# KiCad board raw.kicad_pcb

Outline 58.42 x 63.5 mm; copper layers: Top, In1.Cu (plane), In2.Cu (plane), Bottom. Coordinates in mm from the lower left corner of the outline.
Outline path: 0,63.5 58.42,63.5 58.42,0 0,0 0,63.5

## Placement (name value [footprint] x y rotation side)
C1  0.1uF  [C_0402]  15.36 24.77 90 bottom
C2  0.1uF  [C_0402]  10.36 10 270 bottom
C3  0.1uF  [C_0402]  10.36 24.77 90 bottom
C4  0.1uF  [C_0402]  11.87 10 270 bottom
C5  0.1uF  [C_0402]  15.28 15.58 180 bottom
C6  0.1uF  [C_0402]  13.36 10 270 bottom
C7  10nF  [C_0402]  15.36 20.57 270 bottom
C8  10nF  [C_0402]  10.36 13.97 90 bottom
C9  10nF  [C_0402]  10.36 20.57 270 bottom
C10  10nF  [C_0402]  11.87 13.97 90 bottom
C11  10nF  [C_0402]  20.14 15.48 0 bottom
C12  10nF  [C_0402]  13.36 13.97 90 bottom
C13  18pF  [C_0603]  1.12 20.09 90 top
C14  18pF  [C_0603]  2.24 11.63 180 top
C15  0.1uF  [C_0402]  8.86 10 270 bottom
C16  0.1uF  [C_0402]  3.75 15.53 180 bottom
C17  0.1uF  [C_0402]  3.75 17.03 180 bottom
C18  0.1uF  [C_0402]  14.86 10 270 bottom
C19  0.1uF  [C_0402]  3.75 19.53 180 bottom
C20  10nF  [C_0402]  8.02 17.03 0 bottom
C21  10nF  [C_0402]  8.86 13.97 90 bottom
C22  0.1uF  [C_0402]  12.36 24.77 90 bottom
C23  10nF  [C_0402]  14.86 13.97 90 bottom
C24  0.1uF  [C_0402]  20.14 16.78 0 bottom
C25  10nF  [C_0402]  8.02 15.53 0 bottom
C26  10nF  [C_0402]  8.02 19.53 0 bottom
C27  10nF  [C_0402]  12.37 20.57 270 bottom
C28  10nF  [C_0402]  15.28 16.78 180 bottom
C29  0.1uF  [C_0402]  33.53 39.5 0 top
C30  0.1uF  [C_0402]  23.11 37.97 180 top
C31  0.1uF  [C_0402]  23.11 39.12 180 top
C32  0.1uF  [C_0402]  44.25 46.18 90 top
C33  0.1uF  [C_0402]  52.83 4.57 180 top
C34  0.1uF  [C_0402]  52.83 9.65 180 top
C35  0.1uF  [C_0402]  52.97 14.73 180 top
C36  10uF  [C_0805]  43.65 53.56 180 top
C37  10uF  [C_0805]  43.58 56.14 180 top
C38  4.7uF  [C_0805]  28.91 59.95 90 top
C39  4.7uF  [C_0805]  39.07 59.95 90 top
C40  10uF  [C_0805]  26.37 56.65 0 top
C41  10uF  [C_0805]  36.53 56.65 0 top
chicken_logo_flip  -  [chicken_logo_flip]  26.21 24.25 0 top
D1  LED  [C_0603]  55.88 4.57 270 top
D2  LED  [C_0603]  55.88 9.65 270 top
D3  LED  [C_0603]  55.88 14.73 270 top
D4  LED  [C_0603]  47 61.3 90 top
D5  LED  [C_0603]  55.88 19.81 270 top
D6  LED  [C_0603]  55.88 24.89 270 top
FB1  FILTER  [C_0603]  21.89 24.12 180 bottom
FB2  FILTER  [C_0603]  12.63 3.66 90 bottom
FB3  FILTER  [C_0603]  10.43 3.61 90 bottom
FB4  FILTER  [C_0603]  4.5 23.8 270 bottom
FB5  FILTER  [C_0603]  1.98 23.8 270 bottom
H1  HOLE1  [MountingHole_4.3mm_M4_Pad]  8.08 59.99 0 top
H2  HOLE1  [MountingHole_4.3mm_M4_Pad]  24.08 3.5 0 top
H3  HOLE1  [MountingHole_4.3mm_M4_Pad]  55.07 59.99 0 top
J1  HDMI_A  [FCI_10029449-11[13]RLF]  9.87 6.26 0 top
J2  QTH-030-02-L-DA  [QTH-030-02-L-D-A]  44.08 17.5 90 top
J3  RAPC712x  [RAPC712]  62.56 48.86 90 top
L1  2.2uH  [C_1206]  23.07 59.43 270 top
L2  2.2uH  [C_1206]  33.23 59.43 270 top
P1  CONN_02X07  [IDC_Header_Straight_14pins]  6.39 34.71 90 top
P2  CONN_01X06  [Pin_Header_Straight_1x06]  32.46 1.74 90 top
P3  CONN_01X06  [Pin_Header_Straight_1x06]  32.16 49.94 270 top
R1  0.0  [R_0402]  24.89 24.13 0 bottom
R2  0.0  [R_0402]  6.06 9.37 270 top
R3  4.7k  [R_0402]  7.46 3.69 90 bottom
R4  4.7k  [R_0402]  6.25 3.7 90 bottom
R5  4.7k  [R_0402]  4.86 3.69 90 bottom
R6  0.0  [R_0402]  23.35 54.99 0 top
R7  4.7k  [R_0402]  26.54 34.75 90 top
R8  33  [R_0402]  5.84 9.56 270 bottom
R9  33  [R_0402]  7.35 9.55 270 bottom
R10  33  [C_0402]  5.2 7.07 90 bottom
R11  0.0  [R_0402]  35.56 43.13 0 top
R12  4.7k  [R_0402]  42.73 46.09 270 top
R13  4.7k  [R_0402]  45.87 46.13 90 top
R14  4.7k  [R_0402]  24.43 34.7 90 top
R15  0.0  [R_0402]  20.12 36.22 180 top
R16  0.0  [R_0402]  20.12 34.8 180 top
R17  4.7k  [R_0402]  32.61 47.75 180 top
R18  4.7k  [R_0402]  32.13 34.75 90 top
R19  4.7k  [R_0402]  32.16 46.33 180 top
R20  4.7k  [R_0402]  30.63 34.75 90 top
R21  4.7k  [R_0402]  27.49 47.14 0 top
R22  4.7k  [R_0402]  27.53 45.72 0 top
R23  4.7k  [R_0402]  25 47.09 0 top
R24  270  [R_0402]  55.88 1.88 180 top
R25  270  [R_0402]  55.88 6.96 180 top
R26  270  [R_0402]  55.88 12.04 180 top
R27  200  [R_0805]  43.55 58.5 0 top
R28  270  [R_0603]  47.03 58.43 270 top
R29  150k  [R_0603]  29.42 55.89 90 top
R30  150k  [R_0603]  39.58 55.89 90 top
R31  270  [R_0402]  55.88 17.12 180 top
R32  300k  [R_0603]  26.37 54.87 0 top
R33  680k  [R_0603]  36.53 54.87 0 top
R34  270  [R_0402]  55.88 22.2 180 top
RP1  R_PACK8  [RPACK-8_0616]  11.12 25.59 90 top
RP2  R_PACK8  [RPACK-8_0616]  20.28 21.79 0 top
RP3  R_PACK8  [RPACK-8_0616]  20.28 16.31 0 top
SW1  -  [2M1-SP1-T2-B4-M6RE]  56.81 36.81 180 top
U1  TPD4S010DQAR  [10-USON]  13.36 10.17 270 top
U2  TPD4S010DQAR  [10-USON]  10.36 10.15 270 top
U3  ABM3B-24.000MHZ-B2-T  [XTAL_ABRACON]  2.28 15.65 270 top
U4  TPS2061  [SOT-23-5]  19.81 54.1 0 top
U5  ADV7611  [LQFP-64_TH_10x10mm_Pitch0.5mm]  12.11 17.28 90 top
U6  MSP430F2274TRHAR  [QFN-40-1EP_6x6mm_Pitch0.5mm]  28.32 40.24 90 top
U7  SN74AUP1G06DCKR  [SC-70-5]  52.83 2.54 270 top
U8  SN74AUP1G07DCKR  [SC-70-5]  52.83 7.62 270 top
U9  SN74AUP1G06DCKR  [SC-70-5]  52.83 12.7 270 top
U10  TPS62260  [WSON-6]  26.12 59.95 270 top
U11  TPS62260  [WSON-6]  36.28 59.95 270 top
U12  SN74AUP1G06DCKR  [SC-70-5]  52.83 17.78 270 top
U13  SN74AUP1G06DCKR  [SC-70-5]  52.83 22.86 270 top

## Footprints (pads in the part's own frame, mm; a bottom-side part is the same pattern mirrored in y, then rotated)
2M1-SP1-T2-B4-M6RE
  round 2 hole 1.85: 1(12.7,4.7) 2(12.7,0) 3(12.7,-4.7) 4(0,-2.504) 5(0,2.504)
10-USON
  rect 0.55x0.3 smd: 1(-0.385,1) 2(-0.385,0.5) 4(-0.385,-0.5) 5(-0.385,-1) 6(0.385,-1) 9(0.385,0.5) 10(0.385,1)
  rect 0.55x0.39 smd: 3(-0.385,0)
  rect 0.55x0.25 smd: 7(0.385,-0.5)
  rect 0.5x0.39 smd: 8(0.385,0)
C_0402
  rect 0.6x0.5 smd: 1(-0.55,0) 2(0.55,0)
C_0603
  rect 0.8x0.75 smd: 1(-0.75,0) 2(0.75,0)
C_0805
  rect 1x1.25 smd: 1(-1,0) 2(1,0)
C_1206
  rect 1x1.6 smd: 1(-1.5,0) 2(1.5,0)
FCI_10029449-11[13]RLF
  rect 0.3x1.9 smd: 1(4.75,0.9) 2(4.25,0.9) 3(3.75,0.9) 4(3.25,0.9) 5(2.75,0.9) 6(2.25,0.9) 7(1.75,0.9) 8(1.25,0.9) 9(0.75,0.9) 10(0.25,0.9) 11(-0.25,0.9) 12(-0.75,0.9) 13(-1.25,0.9) 14(-1.75,0.9) 15(-2.25,0.9) 16(-2.75,0.9) 17(-3.25,0.9) 18(-3.75,0.9) 19(-4.25,0.9)
  round 2 hole 1.3: SHLD(-7.85,-4.95) SHLD(-7.25,0) SHLD(7.25,0) SHLD(7.85,-4.95)
IDC_Header_Straight_14pins
  rect 1.727x1.727 hole 1.016: 1(0,0)
  oval 1.727x1.727 hole 1.016: 2(0,2.54) 3(2.54,0) 4(2.54,2.54) 5(5.08,0) 6(5.08,2.54) 7(7.62,0) 8(7.62,2.54) 9(10.16,0) 10(10.16,2.54) 11(12.7,0) 12(12.7,2.54) 13(15.24,0) 14(15.24,2.54)
LQFP-64_TH_10x10mm_Pitch0.5mm
  rect 1x0.25 smd: 1(-5.7,3.75) 2(-5.7,3.25) 3(-5.7,2.75) 4(-5.7,2.25) 5(-5.7,1.75) 6(-5.7,1.25) 7(-5.7,0.75) 8(-5.7,0.25) 9(-5.7,-0.25) 10(-5.7,-0.75) 11(-5.7,-1.25) 12(-5.7,-1.75) 13(-5.7,-2.25) 14(-5.7,-2.75) 15(-5.7,-3.25) 16(-5.7,-3.75) 33(5.7,-3.75) 34(5.7,-3.25) 35(5.7,-2.75) 36(5.7,-2.25) 37(5.7,-1.75) 38(5.7,-1.25) 39(5.7,-0.75) 40(5.7,-0.25) 41(5.7,0.25) 42(5.7,0.75) 43(5.7,1.25) 44(5.7,1.75) 45(5.7,2.25) 46(5.7,2.75) 47(5.7,3.25) 48(5.7,3.75)
  rect 0.25x1 smd: 17(-3.75,-5.7) 18(-3.25,-5.7) 19(-2.75,-5.7) 20(-2.25,-5.7) 21(-1.75,-5.7) 22(-1.25,-5.7) 23(-0.75,-5.7) 24(-0.25,-5.7) 25(0.25,-5.7) 26(0.75,-5.7) 27(1.25,-5.7) 28(1.75,-5.7) 29(2.25,-5.7) 30(2.75,-5.7) 31(3.25,-5.7) 32(3.75,-5.7) 49(3.75,5.7) 50(3.25,5.7) 51(2.75,5.7) 52(2.25,5.7) 53(1.75,5.7) 54(1.25,5.7) 55(0.75,5.7) 56(0.25,5.7) 57(-0.25,5.7) 58(-0.75,5.7) 59(-1.25,5.7) 60(-1.75,5.7) 61(-2.25,5.7) 62(-2.75,5.7) 63(-3.25,5.7) 64(-3.75,5.7)
  rect 1.66x1.66 hole 0.381: 65(-1.66,1.66) 65(-1.66,0) 65(-1.66,-1.66) 65(0,1.66) 65(0,0) 65(0,-1.66) 65(1.66,1.66) 65(1.66,0) 65(1.66,-1.66)
  rect 5x5 smd: 65(0,0)
MountingHole_4.3mm_M4_Pad
  round 5 hole 4.3: 1(0,0)
Pin_Header_Straight_1x06
  rect 2.032x1.727 hole 1.016: 1(0,0)
  oval 2.032x1.727 hole 1.016: 2(0,-2.54) 3(0,-5.08) 4(0,-7.62) 5(0,-10.16) 6(0,-12.7)
QFN-40-1EP_6x6mm_Pitch0.5mm
  rect 0.5x0.3 smd: 1(-3,2.25) 2(-3,1.75) 3(-3,1.25) 4(-3,0.75) 5(-3,0.25) 6(-3,-0.25) 7(-3,-0.75) 8(-3,-1.25) 9(-3,-1.75) 10(-3,-2.25) 21(3,-2.25) 22(3,-1.75) 23(3,-1.25) 24(3,-0.75) 25(3,-0.25) 26(3,0.25) 27(3,0.75) 28(3,1.25) 29(3,1.75) 30(3,2.25)
  rect 0.3x0.5 smd: 11(-2.25,-3) 12(-1.75,-3) 13(-1.25,-3) 14(-0.75,-3) 15(-0.25,-3) 16(0.25,-3) 17(0.75,-3) 18(1.25,-3) 19(1.75,-3) 20(2.25,-3) 31(2.25,3) 32(1.75,3) 33(1.25,3) 34(0.75,3) 35(0.25,3) 36(-0.25,3) 37(-0.75,3) 38(-1.25,3) 39(-1.75,3) 40(-2.25,3)
  rect 1.15x1.15 hole 0.381: 41(-1.725,1.725) 41(-1.725,-1.725) 41(1.725,1.725) 41(1.725,-1.725)
  rect 1.15x1.15 smd: 41(-1.725,0.575) 41(-1.725,-0.575) 41(-0.575,1.725) 41(-0.575,0.575) 41(-0.575,-0.575) 41(-0.575,-1.725) 41(0.575,1.725) 41(0.575,0.575) 41(0.575,-0.575) 41(0.575,-1.725) 41(1.725,0.575) 41(1.725,-0.575)
QTH-030-02-L-D-A
  round 0.9 hole 0.9 unplated: (-10.845,0.508)
  round 0.9 hole 0.9: (10.845,0.508)
  rect 0.305x1.448 smd: 1(-7.25,3.086) 2(-7.25,-3.086) 3(-6.75,3.086) 4(-6.75,-3.086) 5(-6.25,3.086) 6(-6.25,-3.086) 7(-5.75,3.086) 8(-5.75,-3.086) 9(-5.25,3.086) 10(-5.25,-3.086) 11(-4.75,3.086) 12(-4.75,-3.086) 13(-4.25,3.086) 14(-4.25,-3.086) 15(-3.75,3.086) 16(-3.75,-3.086) 17(-3.25,3.086) 18(-3.25,-3.086) 19(-2.75,3.086) 20(-2.75,-3.086) 21(-2.25,3.086) 22(-2.25,-3.086) 23(-1.75,3.086) 24(-1.75,-3.086) 25(-1.25,3.086) 26(-1.25,-3.086) 27(-0.75,3.086) 28(-0.75,-3.086) 29(-0.25,3.086) 30(-0.25,-3.086) 31(0.25,3.086) 32(0.25,-3.086) 33(0.75,3.086) 34(0.75,-3.086) 35(1.25,3.086) 36(1.25,-3.086) 37(1.75,3.086) 38(1.75,-3.086) 39(2.25,3.086) 40(2.25,-3.086) 41(2.75,3.086) 42(2.75,-3.086) 43(3.25,3.086) 44(3.25,-3.086) 45(3.75,3.086) 46(3.75,-3.086) 47(4.25,3.086) 48(4.25,-3.086) 49(4.75,3.086) 50(4.75,-3.086) 51(5.25,3.086) 52(5.25,-3.086) 53(5.75,3.086) 54(5.75,-3.086) 55(6.25,3.086) 56(6.25,-3.086) 57(6.75,3.086) 58(6.75,-3.086) 59(7.25,3.086) 60(7.25,-3.086)
  rect 2.54x0.64 smd: 61(8.445,0) 64(-8.445,0)
  rect 4.7x0.64 smd: 62(3.175,0) 63(-3.175,0)
R_0402
  rect 0.4x0.6 smd: 1(-0.45,0) 2(0.45,0)
R_0603
  rect 0.5x0.9 smd: 1(-0.75,0) 2(0.75,0)
R_0805
  rect 0.7x1.3 smd: 1(-0.95,0) 2(0.95,0)
RAPC712
  round 3.8 hole 3.56: 1(0,13.74)
  round 3.3 hole 3.05: 2(0,7.49) 3(4.8,10.74)
RPACK-8_0616
  rect 0.5x0.3 smd: 1(-0.75,-0.25) 2(-0.75,-0.75) 3(-0.75,-1.25) 4(-0.75,-1.75) 5(-0.75,-2.25) 6(-0.75,-2.75) 7(-0.75,-3.25) 8(-0.75,-3.75) 9(0.55,-3.75) 10(0.55,-3.25) 11(0.55,-2.75) 12(0.55,-2.25) 13(0.55,-1.75) 14(0.55,-1.25) 15(0.55,-0.75) 16(0.55,-0.25)
SC-70-5
  rect 0.406x0.66 smd: 1(-0.66,-1.016) 2(0,-1.016) 3(0.66,-1.016) 4(0.66,1.016) 5(-0.66,1.016)
SOT-23-5
  rect 1.06x0.65 smd: 1(-1.1,0.95) 2(-1.1,0) 3(-1.1,-0.95) 4(1.1,-0.95) 5(1.1,0.95)
WSON-6
  rect 0.3x0.7 smd: 1(-0.65,-1.05) 2(0,-1.05) 3(0.65,-1.05) 4(0.65,1.05) 5(0,1.05) 6(-0.65,1.05)
  rect 1.6x1 smd: 7(0,0)
XTAL_ABRACON
  rect 1.803x1.194 smd: 1(-2.032,-1.194) 2(2.032,-1.194) 3(2.032,1.194) 4(-2.032,1.194)

## Nets
+1V8: C40.1 J2.48 J2.52 L1.2 R6.2 R32.1
+3V3: C33.1 C34.1 C35.1 C41.1 D1.1 D2.1 D3.1 D5.1 D6.1 J2.50 L2.2 P2.5 R1.2 R3.1 R4.1 R5.1 R7.1 R11.2 R14.1 R33.1 U7.5 U8.5 U9.5 U12.5 U13.5
/MSP430/VCC_TARGET: P1.4 R16.2
/MSP430/VCC_TOOL: P1.2 R15.2
GND: C1.2 C2.2 C3.2 C4.2 C5.2 C6.2 C7.2 C8.2 C9.2 C10.2 C11.2 C12.2 C13.2 C14.2 C15.2 C16.2 C17.2 C18.2 C19.2 C20.2 C21.2 C22.2 C23.2 C24.2 C25.2 C26.2 C27.2 C28.2 C29.2 C30.2 C31.2 C32.2 C33.2 C34.2 C35.2 C36.2 C37.2 C38.2 C39.2 C40.2 C41.2 D4.2 H1.1 H2.1 H3.1 J1.2 J1.5 J1.8 J1.11 J1.17 J1.SHLD J2.61 J2.62 J2.63 J2.64 J3.3 P1.9 P2.6 P3.6 R13.2 R29.2 R30.2 SW1.4 SW1.5 U1.3 U1.8 U2.3 U2.8 U3.2 U3.4 U4.2 U5.65 U6.1 U6.4 U6.13 U6.41 U7.3 U8.3 U9.3 U10.6 U10.7 U11.6 U11.7 U12.3 U13.3
3DR: J2.31
/CONNECTOR/HOST_IRQ_DRIVE: R24.2 U7.4
/CONNECTOR/HOST_IRQ_LED: D1.2 R24.1
/CONNECTOR/PDATA0: J2.9 RP1.16
/CONNECTOR/PDATA1: J2.1 RP1.15
/CONNECTOR/PDATA2: J2.11 RP1.14
/CONNECTOR/PDATA3: J2.3 RP1.13
/CONNECTOR/PDATA4: J2.13 RP1.12
/CONNECTOR/PDATA5: J2.5 RP1.11
/CONNECTOR/PDATA6: J2.15 RP1.10
/CONNECTOR/PDATA7: J2.7 RP1.9
/CONNECTOR/PDATA8: J2.4 RP2.16
/CONNECTOR/PDATA9: J2.6 RP2.15
/CONNECTOR/PDATA10: J2.8 RP2.14
/CONNECTOR/PDATA11: J2.21 RP2.13
/CONNECTOR/PDATA12: J2.10 RP2.12
/CONNECTOR/PDATA13: J2.25 RP2.11
/CONNECTOR/PDATA14: J2.12 RP2.10
/CONNECTOR/PDATA15: J2.29 RP2.9
/CONNECTOR/PDATA16: J2.14 RP3.16
/CONNECTOR/PDATA17: J2.33 RP3.15
/CONNECTOR/PDATA18: J2.16 RP3.14
/CONNECTOR/PDATA19: J2.37 RP3.13
/CONNECTOR/PDATA20: J2.18 RP3.12
/CONNECTOR/PDATA21: J2.41 RP3.11
/CONNECTOR/PDATA22: J2.20 RP3.10
/CONNECTOR/PDATA23: J2.45 RP3.9
/CONNECTOR/PROJ_ON_DRIVE: R26.2 U9.4
/CONNECTOR/PROJ_ON_LED: D3.2 R26.1
/CONNECTOR/RESETZ: J2.53 U8.2
/CONNECTOR/RESETZ_DRIVE: R25.2 U8.4
/CONNECTOR/RESETZ_LED: D2.2 R25.1
/HDMI_INPUT/ADV_CVDD: C15.1 C18.1 C21.1 C23.1 FB3.2 U5.2 U5.14
/HDMI_INPUT/ADV_DVDD: C16.1 C19.1 C22.1 C24.1 C25.1 C26.1 C27.1 C28.1 FB4.2 U5.24 U5.40 U5.52 U5.60
/HDMI_INPUT/ADV_DVDDIO: C1.1 C3.1 C5.1 C7.1 C9.1 C11.1 FB1.2 U5.23 U5.34 U5.44
/HDMI_INPUT/ADV_PVDD: C17.1 C20.1 FB5.2 U5.57
/HDMI_INPUT/ADV_TVDD: C2.1 C4.1 C6.1 C8.1 C10.1 C12.1 FB2.2 U5.5 U5.8 U5.11
/HDMI_INPUT/ADV_VDD1V8: FB3.1 FB4.1 FB5.1 U4.1
/HDMI_INPUT/ADV_VDD3V3: FB1.1 FB2.1 R1.1
/HDMI_INPUT/B0: RP1.1 U5.43
/HDMI_INPUT/B1: RP1.2 U5.42
/HDMI_INPUT/B2: RP1.3 U5.41
/HDMI_INPUT/B3: RP1.4 U5.39
/HDMI_INPUT/B4: RP1.5 U5.38
/HDMI_INPUT/B5: RP1.6 U5.37
/HDMI_INPUT/B6: RP1.7 U5.36
/HDMI_INPUT/B7: RP1.8 U5.35
/HDMI_INPUT/G0: RP2.1 U5.33
/HDMI_INPUT/G1: RP2.2 U5.32
/HDMI_INPUT/G2: RP2.3 U5.31
/HDMI_INPUT/G3: RP2.4 U5.30
/HDMI_INPUT/G4: RP2.5 U5.29
/HDMI_INPUT/G5: RP2.6 U5.28
/HDMI_INPUT/G6: RP2.7 U5.27
/HDMI_INPUT/G7: RP2.8 U5.26
/HDMI_INPUT/HDMI_CEC: J1.13 U5.61
/HDMI_INPUT/HDMI_CLK_N: J1.12 U2.5 U2.6 U5.3
/HDMI_INPUT/HDMI_CLK_P: J1.10 U2.4 U2.7 U5.4
/HDMI_INPUT/HDMI_HPA: J1.19 R5.2 R10.1
/HDMI_INPUT/HDMI_PWR: R2.1 U5.64
/HDMI_INPUT/HDMI_PWR_5V: J1.18 R2.2
/HDMI_INPUT/HDMI_RX0_N: J1.9 U2.2 U2.9 U5.6
/HDMI_INPUT/HDMI_RX0_P: J1.7 U2.1 U2.10 U5.7
/HDMI_INPUT/HDMI_RX1_N: J1.6 U1.5 U1.6 U5.9
/HDMI_INPUT/HDMI_RX1_P: J1.4 U1.4 U1.7 U5.10
/HDMI_INPUT/HDMI_RX2_N: J1.3 U1.2 U1.9 U5.12
/HDMI_INPUT/HDMI_RX2_P: J1.1 U1.1 U1.10 U5.13
/HDMI_INPUT/HDMI_SCL: J1.15 R3.2 R9.2
/HDMI_INPUT/HDMI_SDA: J1.16 R4.2 R8.2
/HDMI_INPUT/R0: RP3.1 U5.22
/HDMI_INPUT/R1: RP3.2 U5.21
/HDMI_INPUT/R2: RP3.3 U5.20
/HDMI_INPUT/R3: RP3.4 U5.19
/HDMI_INPUT/R4: RP3.5 U5.18
/HDMI_INPUT/R5: RP3.6 U5.17
/HDMI_INPUT/R6: RP3.7 U5.16
/HDMI_INPUT/R7: RP3.8 U5.15
/MSP430/DEBUG1: U6.15 U12.2
/MSP430/DEBUG1_DRIVE: R31.2 U12.4
/MSP430/DEBUG1_LED: D5.2 R31.1
/MSP430/DEBUG2: U6.16 U13.2
/MSP430/DEBUG2_DRIVE: R34.2 U13.4
/MSP430/DEBUG2_LED: D6.2 R34.1
/MSP430/MSP_VDD3V3: C29.1 C30.1 C31.1 R11.1 R12.1 R15.1 R16.1 R17.1 R18.1 R19.1 R20.1 R21.1 R22.1 R23.1 U6.14 U6.38 U6.39
/MSP430/PB_DOWN: P3.2 R19.2 U6.19
/MSP430/PB_LEFT: P3.3 R21.2 U6.20
/MSP430/PB_RIGHT: P3.4 R22.2 U6.21
/MSP430/PB_SELECT: P3.5 R23.2 U6.22
/MSP430/PB_UP: P3.1 R17.2 U6.18
/MSP430/POWER_ON: C32.1 SW1.2 U6.17
/MSP430/TCK: P1.7 U6.33
/MSP430/TDI: P1.3 U6.35
/MSP430/TDO: P1.1 U6.36
/MSP430/TEST: P1.8 U6.37
/MSP430/TMS: P1.5 U6.34
ADV_1V8_EN: U4.4 U6.27
DATEN_CMD: J2.17 U5.45
HDMI_INT1: U5.55 U6.7
HOST_IRQ: J2.35 U6.9 U7.2
HSYNC_CS: J2.27 U5.46
I2C0_SCL: J2.43
I2C0_SDA: J2.39
MSP_I2C_SCL: R18.2 U5.53 U6.11
MSP_I2C_SDA: R20.2 U5.54 U6.10
PCLK: J2.19 U5.25
PROJ_ON: J2.36 U6.12 U9.2
RESET: P1.11 R14.2 U6.5
RESET_ADV7611: R7.2 U5.56 U6.6
SPI0_CLK: J2.46 P2.4
SPI0_CSZ0: J2.51 P2.1
SPI0_MISO: J2.47 P2.3
SPI0_MOSI: J2.49 P2.2
SYSPWR: C36.1 C37.1 C38.1 C39.1 J2.55 J2.56 J2.57 J2.58 J2.59 J2.60 J3.1 R27.1 R28.2 U10.2 U10.4 U10.5 U11.2 U11.4 U11.5
VSYNC_WE: J2.2 U5.47
Net-(C13-Pad1): C13.1 U3.1 U5.58
Net-(C14-Pad1): C14.1 U3.3 U5.59
Net-(D4-Pad1): D4.1 R28.1
Net-(J1-Pad14): J1.14
Net-(J2-Pad22): J2.22
Net-(J2-Pad23): J2.23
Net-(J2-Pad24): J2.24
Net-(J2-Pad26): J2.26
Net-(J2-Pad28): J2.28
Net-(J2-Pad30): J2.30
Net-(J2-Pad32): J2.32
Net-(J2-Pad34): J2.34
Net-(J2-Pad38): J2.38
Net-(J2-Pad40): J2.40
Net-(J2-Pad42): J2.42
Net-(J2-Pad44): J2.44
Net-(J2-Pad54): J2.54
Net-(J3-Pad2): J3.2 R27.2
Net-(L1-Pad1): L1.1 U10.1
Net-(L2-Pad1): L2.1 U11.1
Net-(P1-Pad6): P1.6
Net-(P1-Pad10): P1.10
Net-(P1-Pad12): P1.12
Net-(P1-Pad13): P1.13
Net-(P1-Pad14): P1.14
Net-(R6-Pad1): R6.1 U4.5
Net-(R8-Pad1): R8.1 U5.63
Net-(R9-Pad1): R9.1 U5.62
Net-(R10-Pad2): R10.2 U5.1
Net-(R12-Pad2): R12.2 SW1.3
Net-(R13-Pad1): R13.1 SW1.1
Net-(R29-Pad1): R29.1 R32.2 U10.3
Net-(R30-Pad1): R30.1 R33.2 U11.3
Net-(U4-Pad3): U4.3
Net-(U5-Pad48): U5.48
Net-(U5-Pad49): U5.49
Net-(U5-Pad50): U5.50
Net-(U5-Pad51): U5.51
Net-(U6-Pad2): U6.2
Net-(U6-Pad3): U6.3
Net-(U6-Pad8): U6.8
Net-(U6-Pad23): U6.23
Net-(U6-Pad24): U6.24
Net-(U6-Pad25): U6.25
Net-(U6-Pad26): U6.26
Net-(U6-Pad28): U6.28
Net-(U6-Pad29): U6.29
Net-(U6-Pad30): U6.30
Net-(U6-Pad31): U6.31
Net-(U6-Pad32): U6.32
Net-(U6-Pad40): U6.40

Pads without a net: U7 1; U8 1; U9 1; U12 1; U13 1

## Via types
v1: diameter 0.737, hole 0.381, Top to Bottom, 77 vias
v2: diameter 0.762, hole 0.381, Top to Bottom, 33 vias

## Routing (per net, layer and track width the routed paths; a pad name or vN(x,y) marks a point on that pad's centre or on a via; arc(x,y) is an arc through that point)
+1V8: length 69.8
  Top w0.152: J2.48 48.04,21.75 48.16,21.64 49.38,21.64 v2(49.96,22.21) 49.33,22.83 48.13,22.83 48.04,22.75 J2.52
  Top w0.508: v1(25.63,52.96) 25.62,52.97 R32.1 23.91,54.87 R6.2
  Top w0.762: R32.1 25.37,55.12 C40.1 24.09,57.93 L1.2
  In2.Cu w0.762: v2(49.96,22.21) 51.25,23.51 51.25,50.02 48.34,52.93 25.65,52.93
+3V3: length 188.8
  Top w0.152: R14.1 26.49,34.25 R7.1 ; C35.1 53.47,14.68 53.4,14.68 ; J2.50 47.18,22.23 v1(48.75,22.23) ; D1.1 55.88,5.3 55.16,4.57 C33.1
  Top w0.203: U12.5 53.85,18.03 53.26,17.45 53.26,14.91 53.43,14.75 ; U12.5 53.97,18.44 55.88,20.35 D5.1 ; U12.5 53.85,18.85 53.26,19.43 v1(53.26,20.57) 53.26,22.53 53.85,23.11 U13.5 53.97,23.52 55.88,25.43 D6.1 ; C34.1 55.16,9.65 55.88,10.38 D2.1 ; C34.1 53.38,10.11 53.16,10.33 53.16,12.67 U9.5 53.85,14.11 53.37,14.59 53.37,14.75 ; C34.1 53.85,9.19 U8.5 53.15,7.59 53.15,4.75 53.33,4.57 C33.1 53.85,4.11 U7.5 53.97,3.2 ; D3.1 55.88,15.46 55.16,14.73 C35.1 ; D1.1 55.88,5.11
  Top w0.381: v1(35.73,45.06) 35.73,43.41 R11.2 ; 26.55,33.24 v1(26.54,33.25) R7.1
  Top w0.508: R33.1 35.74,54.83
  Top w0.762: v1(35.73,45.06) 35.78,45.11 R33.1 35.53,55.12 C41.1 34.25,57.93 L2.2
  In2.Cu w0.152: 48.74,22.25 v1(48.75,22.23)
  In2.Cu w0.203: 27.13,32.66 33.6,32.66 35.71,34.77 ; 27.13,32.66 26.55,33.24 27.13,32.66
  In2.Cu w0.381: P2.5 42.62,1.89 44.92,4.19 44.92,21.25 45.92,22.25 ; 45.92,22.25 28.65,22.25 26.82,24.08 ; 45.92,22.25 47.6,20.57 v1(53.26,20.57) ; 45.92,22.25 48.74,22.25
  In2.Cu w0.508: 26.82,24.08 26.8,24.06 26.8,12.46 15.86,1.52 8.07,1.52 v2(8.05,1.5)
  In2.Cu w0.762: 26.82,24.08 35.71,32.97 35.71,43.99 35.73,44.01 35.73,45.08
  Bottom w0.152: R5.1 6.24,3.24 ; R3.1 6.26,3.24
  Bottom w0.381: R4.1 6.3,3.25 v2(8.05,1.5)
  Bottom w0.508: v1(26.87,24.14) 26.86,24.13 R1.2
/MSP430/VCC_TARGET: length 21.9
  Top w0.152: P1.4 2.76,36.16 2.76,33.82 3.57,33.01 17.52,33.01 19.31,34.8 R16.2
/MSP430/VCC_TOOL: length 17.7
  Top w0.152: P1.2 3.85,34.45 4.99,33.31 16.41,33.31 19.31,36.22 R15.2
GND: length 298.1
  Top w0.152: C14.2 1.08,12.04 U3.2 1.08,13.92 2.29,15.12 2.29,15.49 ; 13.57,5.49 11.7,5.49 11.56,5.62 ; 13.57,5.49 13.11,5.49 12.62,5.97 J1.5 ; 13.57,5.49 13.7,5.62 ; J1.11 9.62,5.73 9.47,5.58 v1(9.47,5.5) 11.57,5.5 v2(11.58,5.49) 11.56,5.51 11.56,5.62 ; U1.3 U1.8 13.36,8.83 ; H1.1 15.61,59.99 19.76,55.85 19.76,54.46 19.39,54.1 U4.2 ; 13.7,5.62 13.7,5.58 v2(13.67,5.54) ; 13.7,5.62 13.9,5.62 14.12,5.84 J1.2 ; C13.2 3.05,20.84 3.48,20.41 3.47,20.4 U3.4 ; J1.8 11.12,5.9 11.39,5.62 11.56,5.62 ; 10.36,8.84 10.36,8.84 ; 10.36,8.84 10.36,8.76 v1(10.37,8.75) ; 10.36,8.84 U2.8 U2.3 ; 11.56,5.62 11.56,5.59 11.45,5.48 ; P2.6 45.38,1.52 51.33,1.52 51.69,1.88 U7.3 52.3,1.88 52.73,2.32 52.73,3.72 52.28,4.17 C33.2 52.28,6.49 52.3,6.51 52.3,6.6 51.94,6.96 U8.3 52.3,6.96 ; C36.2 42.65,50.31 v1(45.21,47.75) 45.87,47.09 R13.2 44.1,46.58 44.25,46.72 C32.2 ; 22.56,38.52 C30.2 ; 22.56,38.52 C31.2 ; 22.56,38.52 21.57,38.52 v1(21.54,38.55) ; U6.1 26.07,37.99 U6.41 ; U6.13 30.52,38.99 U6.41 ; U6.4 27.57,38.34 U6.41 U6.41 ; U6.41 U6.41 ; U13.3 51.82,21.84 52.37,21.29 52.37,17.39 52.1,17.12 U12.3 51.94,17.12 52.42,16.64 C35.2 52.42,12.16 52.3,12.04 U9.3 51.82,11.68 52.37,11.13 52.37,7.04 52.3,6.96 ; v1(34.23,38.21) 34.08,38.36 C29.2 ; 13.36,8.83 13.36,8.78 v1(13.37,8.77) ; 13.36,8.83 13.37,8.82 ; 52.3,6.96 52.73,7.4 52.73,8.8 52.28,9.25 C34.2 ; 8.86,8.84 8.77,8.84 ; J2.62 J2.63 J2.64 42.72,9.05 v1(42.18,8.51) ; v1(8.68,8.64) 8.47,8.84 7.2,8.84 6.62,8.27 J1.17 ; v1(44.87,25.94) 44.91,25.98
  Top w0.203: v1(37.58,61.61) 38.24,60.95 C39.2 ; J2.61 v1(44.87,25.94)
  Top w0.381: U6.41 U6.41 ; U6.41 U6.41 U6.41 U6.41 ; U6.41 U6.41 U6.41 ; R29.2 29.41,56.65 C40.2 ; U6.41 U6.41 ; U6.41 U6.41 ; U6.41 U6.41 U6.41 ; U6.41 U6.41 U6.41 U6.41
  Top w0.508: v1(35.69,61.59) 36.28,61.01 U11.7 36.28,60.28
  Top w0.762: R30.2 39.57,56.65 C41.2 37.53,57.8
  In1.Cu w0.152: H2.1 21.89,1.31 J1.SHLD 17.12,1.91 J1.SHLD J1.SHLD ; 6.23,6.9 6.2,6.94 6.1,6.85 3.2,6.85 J1.SHLD ; J3.3 50.17,52.01 48.58,52.01 38.54,41.97 U6.41 U6.41 ; J1.SHLD 2.02,5.66 J1.SHLD ; v1(15.63,26.56) 15.11,26.56 14.65,26.11 v1(9.87,26.11) ; 22.12,17.03 22.12,16.72 14.87,9.47 14.87,8.84 13.39,8.84 13.36,8.87 11.9,8.87 11.87,8.84 8.86,8.84 2.29,15.41 2.29,15.49
  In1.Cu w0.381: U6.41 U6.41 U6.41 U6.41
  Bottom w0.152: v2(2.24,15.49) 2.27,15.53 C16.2 ; 13.37,9.44 C6.2 14.15,9.45 ; U5.65 11.87,15.38 C10.2 ; C1.2 15.36,26.45 15.55,26.65 15.55,26.64 v1(15.63,26.56) ; U5.65 14.27,16.78 C28.2 ; C2.2 11.15,9.45 ; 11.15,9.45 C4.2 ; 11.15,9.45 11.15,5.92 v2(11.58,5.49) ; C24.2 C11.2 20.74,15.48 22.12,16.86 v1(22.12,17.02) ; U5.65 10.36,15.53 C8.2 C21.2 8.86,15.25 C25.2 ; 14.15,9.45 C18.2 15.85,9.45 v1(15.85,9.45) ; 14.15,9.45 14.15,6.03 v2(13.67,5.54) ; U5.65 12.11,19.76 C27.2 ; 8.86,8.83 8.86,8.83 ; 8.86,8.83 8.86,6.66 9.18,6.34 9.18,5.78 v1(9.47,5.5) ; 8.86,8.83 C15.2 8.89,9.42 8.89,8.85 v1(8.68,8.64) ; U5.65 13.82,15.58 C5.2 14.76,15.55 14.76,14.62 C23.2 14.86,14.57 13.81,15.62 U5.65 ; U5.65 13.36,15.21 C12.2 ; U5.65 10.45,19.93 C9.2 ; v2(3.38,20.47) 3.2,20.29 C19.2 ; 3.45,17.03 3.45,16.22 ; 3.45,16.22 3.45,16.15 ; 3.45,16.22 3.45,15.53 ; C22.2 C3.2 10.36,25.62 v1(9.87,26.11)